# KiCad board PicoGUS chipdown with edge rails.kicad_pcb (continued)
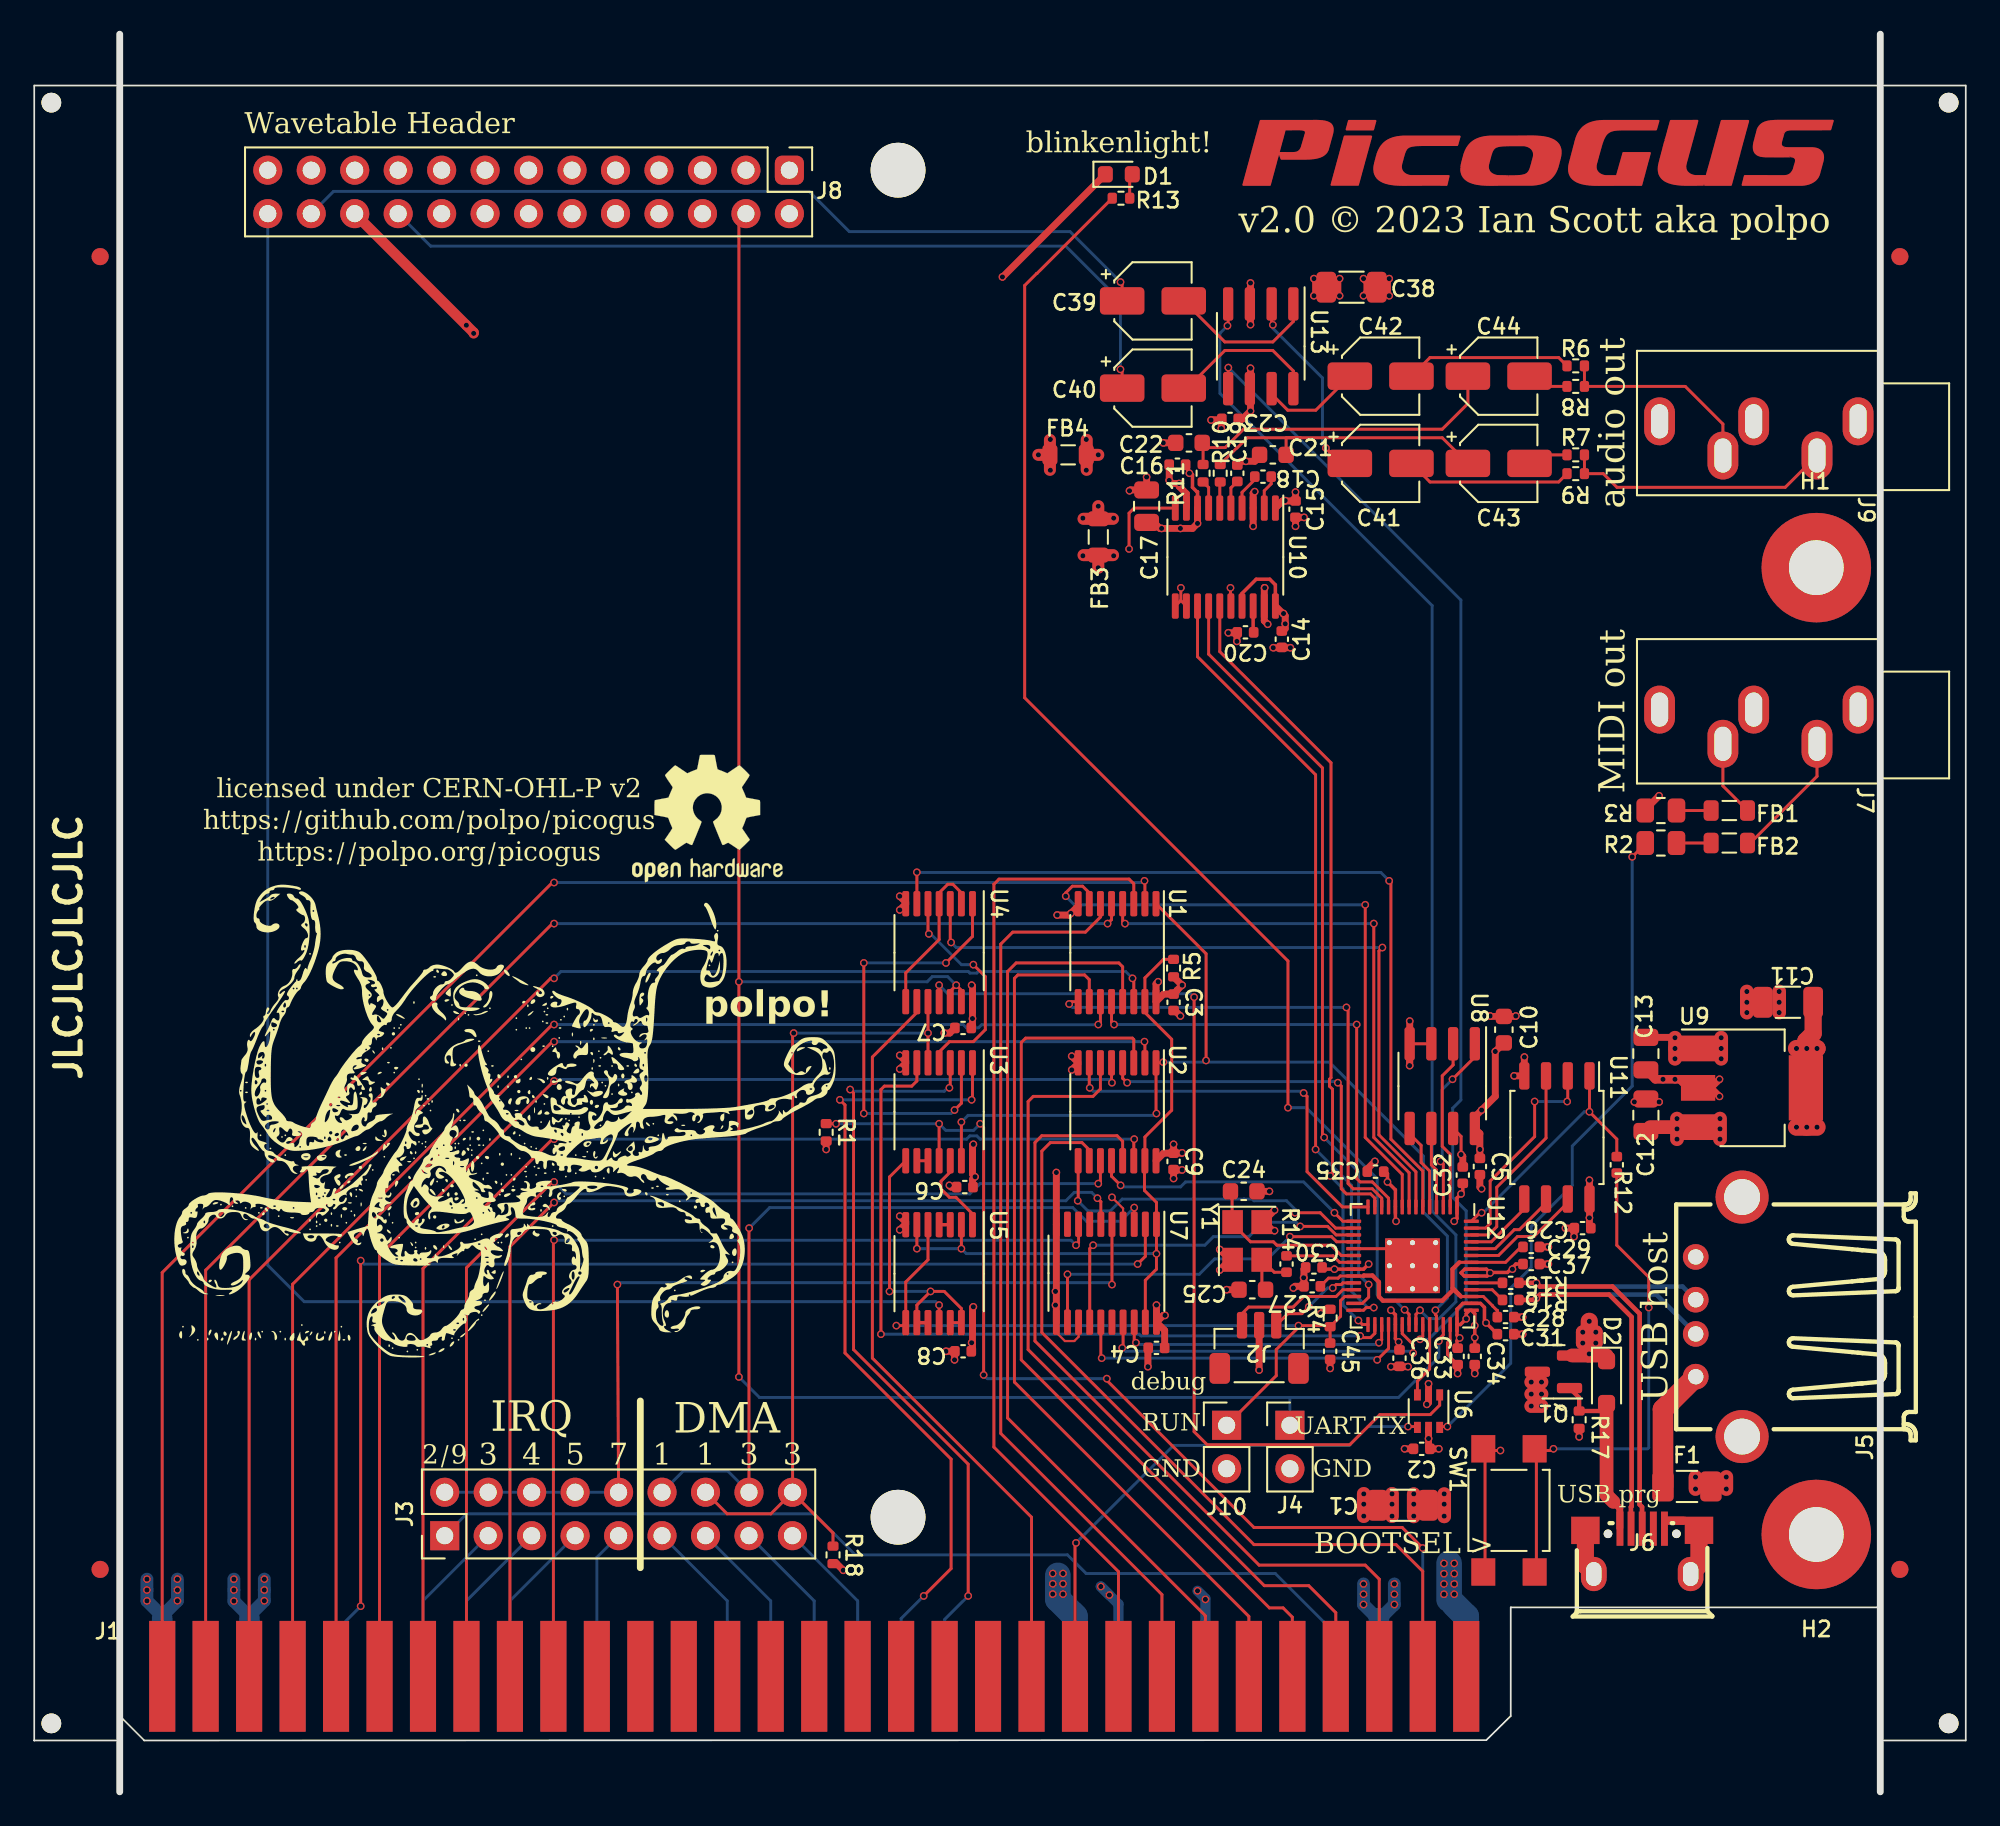
[diagram p0: board, top side]
## Nets
Board_0-+1V1: C27.1 C28.1 C29.1 U12.23 U12.45 U12.50
Board_0-+3V3: C2.1 C3.1 C4.1 C5.1 C6.1 C7.1 C8.1 C9.1 C10.1 C11.1 C13.1 C14.2 C26.1 C30.1 C31.1 C32.1 C33.1 C34.1 C35.1 C36.1 C37.1 FB4.1 R4.1 R5.1 U1.16 U2.16 U3.14 U4.14 U5.14 U6.5 U7.20 U8.8 U9.2 U10.17 U10.20 U11.8 U12.1 U12.10 U12.22 U12.33 U12.42 U12.43 U12.44 U12.48 U12.49
Board_0-+5V: C1.1 F1.2 J1.3 J1.29 J8.6 J8.10 J8.14 Q1.3 R3.2 R18.2
Board_0-+12V: J1.9 J8.18
Board_0--12V: J1.7 J8.22
Board_0-/RP2040/GPIO23: R13.1 U12.35
Board_0-/RP2040/QSPI_SCLK: U11.6 U12.52
Board_0-/RP2040/QSPI_SD0: U11.5 U12.53
Board_0-/RP2040/QSPI_SD1: U11.2 U12.55
Board_0-/RP2040/QSPI_SD2: U11.3 U12.54
Board_0-/RP2040/QSPI_SD3: U11.7 U12.51
Board_0-/RP2040/QSPI_SS: R12.1 U11.1 U12.56
Board_0-/RP2040/SWCLK: J2.1 U12.24
Board_0-/RP2040/SWD: J2.3 U12.25
Board_0-/RP2040/XIN: C24.1 U12.20 Y1.1
Board_0-/RP2040/XOUT: R14.1 U12.21
Board_0-/RP2040/~{USB_BOOT}: R12.2 SW1.1
Board_0-/USB_D+: J5.3 J6.3 R15.1
Board_0-/USB_D-: J5.2 J6.2 R16.1
Board_0-/VSYS: C12.1 D2.1 Q1.2 U9.3
Board_0-A0: J1.62 U1.2
Board_0-A1: J1.61 U1.5
Board_0-A2: J1.60 U1.14
Board_0-A3: J1.59 U1.11
Board_0-A4: J1.58 U2.2
Board_0-A5: J1.57 U2.5
Board_0-A6: J1.56 U2.14
Board_0-A7: J1.55 U2.11
Board_0-A8: J1.54 U7.6
Board_0-A9: J1.53 U7.8
Board_0-AD0: U1.4 U12.8
Board_0-AD1: U1.7 U12.9
Board_0-AD2: U1.12 U12.11
Board_0-AD3: U1.9 U12.12
Board_0-AD4: U2.4 U12.13
Board_0-AD5: U2.7 U12.14
Board_0-AD6: U2.12 U12.15
Board_0-AD7: U2.9 U12.16
Board_0-ADS: U1.1 U2.1 U3.13 U12.39
Board_0-AEN: J1.42 U4.9
Board_0-AGND: C15.1 C16.1 C17.2 C19.2 C21.1 C22.1 C23.2 C38.2 FB3.2 J8.15 J8.17 J8.19 J8.21 J8.23 J8.25 J9.S U10.3 U10.9 U13.3
Board_0-AVDD: C15.2 C16.2 C17.1 C23.1 C38.1 FB4.2 U10.1 U10.8 U13.6
Board_0-BCK: U10.13 U12.28
Board_0-D0: J1.40 U1.3
Board_0-D1: J1.39 U1.6
Board_0-D2: J1.38 U1.13
Board_0-D3: J1.37 U1.10
Board_0-D4: J1.36 U2.3
Board_0-D5: J1.35 U2.6
Board_0-D6: J1.34 U2.13
Board_0-D7: J1.33 U2.10
Board_0-DACK: J3.14 J3.18 R18.1 U3.5 U4.10
Board_0-DACK1: J1.17 J3.13
Board_0-DACK3: J1.15 J3.17
Board_0-DIN: U10.14 U12.27
Board_0-DRQ: J3.12 J3.16 U7.3
Board_0-DRQ1: J1.18 J3.11
Board_0-DRQ3: J1.16 J3.15
Board_0-GND: C1.2 C2.2 C3.2 C4.2 C5.2 C6.2 C7.2 C8.2 C9.2 C10.2 C11.2 C12.2 C13.2 C14.1 C20.2 C24.2 C25.2 C26.2 C27.2 C28.2 C29.2 C30.2 C31.2 C32.2 C33.2 C34.2 C35.2 C36.2 C37.2 C45.2 D1.1 FB3.1 H1.1 H2.1 J1.1 J1.10 J1.31 J2.2 J4.2 J5.4 J5.5 J6.5 J6.6 J7.S J8.1 J8.3 J8.5 J8.7 J8.9 J8.11 J10.2 R1.2 R17.2 SW1.2 U1.8 U2.8 U3.7 U4.7 U5.7 U6.2 U7.4 U7.10 U7.11 U7.13 U8.3 U8.4 U8.7 U9.1 U10.10 U10.11 U10.12 U10.16 U10.19 U11.4 U12.19 U12.41 U12.57 Y1.2 Y1.4
Board_0-I/OCHRDY: J1.41 U6.4
Board_0-IRQ: J3.2 J3.4 J3.6 J3.8 J3.10 U7.5
Board_0-IRQ2: J1.4 J3.1
Board_0-IRQ3: J1.25 J3.3
Board_0-IRQ4: J1.24 J3.5
Board_0-IRQ5: J1.23 J3.7
Board_0-IRQ7: J1.21 J3.9
Board_0-LRCK: U10.15 U12.29
Board_0-Net-(C25-Pad1): C25.1 R14.2 Y1.3
Board_0-Net-(C41-Pad2): C41.2 R7.1
Board_0-Net-(C42-Pad2): C42.2 R6.1
Board_0-Net-(C43-Pad2): C43.2 R9.2
Board_0-Net-(C44-Pad2): C44.2 R8.2
Board_0-Net-(D1-A): D1.2 R13.2
Board_0-Net-(D2-A): D2.2 J6.1 Q1.1 R17.1
Board_0-Net-(FB1-Pad1): FB1.1 R2.2
Board_0-Net-(FB1-Pad2): FB1.2 J7.T
Board_0-Net-(FB2-Pad1): FB2.1 R3.1
Board_0-Net-(FB2-Pad2): FB2.2 J7.R
Board_0-Net-(J5-VBUS): F1.1 J5.1
Board_0-Net-(J9-PadR): J9.R R6.2 R8.1
Board_0-Net-(J9-PadT): J9.T R7.2 R9.1
Board_0-Net-(R2-Pad1): R2.1 U6.6
Board_0-Net-(U3-Pad2): U3.2 U4.1
Board_0-Net-(U3-Pad4): U3.4 U4.5
Board_0-Net-(U3-Pad8): U3.8 U5.9 U5.10 U5.12 U5.13
Board_0-Net-(U3-Pad10): U3.9 U3.10
Board_0-Net-(U3-Pad12): U3.12 U5.1
Board_0-Net-(U4-Pad2): U4.2 U4.4 U4.8
Board_0-Net-(U4-Pad11): U4.11 U6.1
Board_0-Net-(U5-Pad3): U5.3 U5.4
Board_0-Net-(U10-CAPM): C18.2 U10.4
Board_0-Net-(U10-CAPP): C18.1 U10.2
Board_0-Net-(U10-LDOO): C20.1 U10.18
Board_0-Net-(U10-OUTL): R10.1 U10.6
Board_0-Net-(U10-OUTR): R11.1 U10.7
Board_0-Net-(U10-VNEG): C19.1 U10.5
Board_0-Net-(U12-USB_DM): R16.2 U12.46
Board_0-Net-(U12-USB_DP): R15.2 U12.47
Board_0-Net-(U13-1ch_IN): C39.2 U13.1
Board_0-Net-(U13-1ch_OUT): C41.1 U13.2
Board_0-Net-(U13-2ch_IN): C40.2 U13.8
Board_0-Net-(U13-2ch_OUT): C42.1 U13.7
Board_0-PGAUDIO_L: C21.2 C43.1 R10.2
Board_0-PGAUDIO_R: C22.2 C44.1 R11.2
Board_0-RA8: U7.14 U12.17
Board_0-RA9: U7.12 U12.18
Board_0-RDRQ: U7.17 U12.34
Board_0-RESET: J1.2 R1.1 U3.11
Board_0-RI/OCHRDY: U6.3 U12.38
Board_0-RIRQ: U7.15 U12.32
Board_0-RTC: U7.18 U12.31
Board_0-RUN: C45.1 J10.1 R4.2 U5.5 U5.8 U12.26
Board_0-RV_CLK: U12.37 U13.5
Board_0-RV_DATA: U12.36 U13.4
Board_0-SPI_RX: U8.2 U12.2
Board_0-SPI_SCK: U8.6 U12.4
Board_0-SPI_TX: U8.5 U12.5
Board_0-TC: J1.27 U7.2
Board_0-UART_TX: J4.1 J8.4 U4.12 U4.13 U12.40
Board_0-unconnected-(J1--5V-Pad5): J1.5
Board_0-unconnected-(J1-ALE-Pad28): J1.28
Board_0-unconnected-(J1-BA10-Pad52): J1.52
Board_0-unconnected-(J1-BA11-Pad51): J1.51
Board_0-unconnected-(J1-BA12-Pad50): J1.50
Board_0-unconnected-(J1-BA13-Pad49): J1.49
Board_0-unconnected-(J1-BA14-Pad48): J1.48
Board_0-unconnected-(J1-BA15-Pad47): J1.47
Board_0-unconnected-(J1-BA16-Pad46): J1.46
Board_0-unconnected-(J1-BA17-Pad45): J1.45
Board_0-unconnected-(J1-BA18-Pad44): J1.44
Board_0-unconnected-(J1-BA19-Pad43): J1.43
Board_0-unconnected-(J1-CLK-Pad20): J1.20
Board_0-unconnected-(J1-DRQ2-Pad6): J1.6
Board_0-unconnected-(J1-IO-Pad32): J1.32
Board_0-unconnected-(J1-IRQ6-Pad22): J1.22
Board_0-unconnected-(J1-OSC-Pad30): J1.30
Board_0-unconnected-(J1-UNUSED-Pad8): J1.8
Board_0-unconnected-(J1-~{DACK0}-Pad19): J1.19
Board_0-unconnected-(J1-~{DACK2}-Pad26): J1.26
Board_0-unconnected-(J1-~{SMEMR}-Pad12): J1.12
Board_0-unconnected-(J1-~{SMEMW}-Pad11): J1.11
Board_0-unconnected-(J6-ID-Pad4): J6.4
Board_0-unconnected-(J8-Pin_2-Pad2): J8.2
Board_0-unconnected-(J8-Pin_8-Pad8): J8.8
Board_0-unconnected-(J8-Pin_12-Pad12): J8.12
Board_0-unconnected-(J8-Pin_13-Pad13): J8.13
Board_0-unconnected-(J8-Pin_16-Pad16): J8.16
Board_0-unconnected-(J9-PadRN): J9.RN
Board_0-unconnected-(J9-PadTN): J9.TN
Board_0-unconnected-(U7-1Y1-Pad16): U7.16
Board_0-unconnected-(U7-2Y2-Pad7): U7.7
Board_0-unconnected-(U7-2Y3-Pad9): U7.9
Board_0-WTAUDIO_L: C39.1 J8.24
Board_0-WTAUDIO_R: C40.1 J8.20
Board_0-~{BUSOE}: R5.2 U1.15 U2.15 U5.2 U5.6 U7.1 U7.19
Board_0-~{IOR}: J1.14 U3.1
Board_0-~{IOW}: J1.13 U3.3
Board_0-~{RDACK}: U3.6 U12.30
Board_0-~{RIOR}: U4.3 U12.7
Board_0-~{RIOW}: U4.6 U12.6
Board_0-~{SPI_CS}: U8.1 U12.3
Board_0-~{WT_RESET}: J8.26 U5.11

Pads without a net: J2 MP; J7 RN TN

## Via types
v1: diameter 0.45, hole 0.3, Top to Bottom, 374 vias

## Routing (per net, layer and track width the routed paths; a pad name or vN(x,y) marks a point on that pad's centre or on a via; arc(x,y) is an arc through that point)
Board_0-+1V1: length 18.9
  Top w0.171: 77.61,30.15 U12.23 76.32,30.15 76.19,30.02 75.63,30.02 75.26,29.65 ; 86.88,31.85 85.98,30.95 U12.50 83.28,30.95 ; 83.37,28.95 U12.45 84.68,28.95 85.22,28.41 85.22,28.4 85.48,28.14 85.49,28.14 85.5,28.13 C28.1
  Top w0.25: 83.28,30.95 82.88,30.55 82.88,29.44 83.27,29.04 ; 77.67,30.15 77.7,30.18 78.2,30.18 78.58,29.8 78.58,28.94 78.81,28.71 82.28,28.71 82.94,29.36 82.96,29.36 83.37,28.95
Board_0-+3V3: length 75.4
  Top w0.2: 83.88,28.15 83.68,27.95 v1(83.68,27.65) 83.34,27.31 U12.42 ; 78.86,36.35 79.08,36.13 v1(79.08,35.65) 79.54,35.19 U12.10 79.54,33.39 v1(79.58,33.35) 79.54,33.41 ; v1(85.08,30.33) 84.86,30.55 U12.49 83.59,30.55 83.38,30.34 83.57,30.15 U12.48 84.9,30.15 v1(85.08,30.33) ; v1(85.08,30.33) 85.11,30.36 86.09,30.36 86.28,30.55 v1(86.38,30.55) 86.38,30.65 86.58,30.85 C37.1 ; U12.42 83.14,28.21 83.48,28.55 U12.44 84.51,28.55 84.74,28.32 84.74,27.5 v1(84.84,27.41) C31.1 ; U12.42 83.14,26.68 v1(83.3,26.53) 83.14,26.37 83.14,25.97 ; C34.1 v1(84.18,26.55) v1(84.18,27.25) 84.18,27.95 U12.43 ; U10.20 72.53,70.55 72.2,70.88 71.41,70.88 70.58,70.05 U10.17 ; v1(77.98,30.85) 77.68,30.55 U12.22 v1(75.98,30.55) 75.36,30.55 ; C36.1 79.78,26.25 v1(79.73,26.3) 79.54,26.49 U12.33 79.54,27.89 v1(79.28,28.15) ; C32.1 83.48,35.05 v1(83.38,34.95) 83.14,34.71 U12.1 83.14,33.51 v1(82.98,33.35)
  Top w0.4: U10.20 72.97,68.87 v1(73,68.87) 73,68.84 73.1,68.74 v1(73.1,68.27) 73.1,67.99 72.88,67.77 ; 97.98,41.15 v1(98.48,41.65) ; 97.98,41.15 v1(98.48,40.65) ; 97.98,41.15 U9.2 ; v1(75.18,27.95) 75.43,28.21 R4.1 ; v1(54.78,47.15) 54.83,47.1 U4.14 v1(54.83,45.2) 54.83,44.72 ; U2.16 66,37.33 C9.1 ; v1(66.08,27.85) 65.98,27.85 U7.20 ; 54.76,25.85 54.83,25.92 54.83,26.2 v1(54.78,26.25) 54.83,26.3 U5.14 54.83,28.3 v1(54.88,28.35) ; 84.18,39.45 v1(84.58,39.85) 85.38,40.65 v1(85.38,43.27) C10.1 ; 59.35,77.27 v1(59.38,77.25) ; C9.1 67.06,37.33 v1(67.08,37.35) ; C9.1 v1(66.58,37.85) ; v1(59.38,79.05) 59.35,79.02 ; 81.48,21.21 v1(81.48,20.65) 81.48,20.08 ; C5.1 v1(84.48,37.55) 84.48,38.48 U8.8 ; v1(54.88,37.85) 54.83,37.8 U3.14 54.83,36.1 v1(54.98,35.95) 54.83,35.8 54.83,35.38 ; C4.1 66.06,26.97 U7.20 ; 90.88,33.03 v1(90.88,33.55) 90.88,33.55 U11.8 90.88,35.74 v1(90.88,35.75) ; R5.1 67.07,47.15 v1(67.08,47.15) 66.78,46.85 66.78,46.83 C3.1 66,46.63 U1.16 65.55,47.22 v1(65.68,47.35) ; U7.20 v1(65.58,28.45) ; v1(82.08,20.05) C2.1
  Top w0.5: 96.68,41.15 96.18,41.65 v1(95.88,41.65) v1(95.18,41.65) 94.73,41.65 C13.1
  Top w0.7: v1(58.68,78.15) FB4.1 ; FB4.1 59.35,79.02 ; FB4.1 59.35,77.27
  Top w1: v1(102.98,43.45) v1(103.58,43.45) v1(104.18,43.45) 103.53,43.5 103.53,43.9 103.95,44.32 C11.1 ; v1(104.18,38.85) v1(103.58,38.85) v1(102.98,38.85)
Board_0-+5V: length 292.3
  Top w0.4: v1(47.28,12.95) 46.89,13.34 R18.2 ; v1(94.95,58.22) 94.23,57.5
  Top w0.8: v1(97.08,17.7) v1(97.08,18.4) ; v1(98.88,18.4) v1(98.88,17.7) ; v1(87.48,23.25) v1(88.08,23.25) ; v1(87.48,23.95) v1(88.08,23.95) ; 82.39,17.4 82.39,16.1 ; 80.61,17.4 80.61,16.1 ; v1(87.48,22.55) v1(88.08,22.55)
  In2.Cu w0.4: v1(47.28,12.95) 47.28,9.25
  In2.Cu w0.75: v1(11.67,12.43) 11.67,11.06 12.28,10.45 12.88,10.45 13.45,11.01 v1(13.45,12.43) ; v1(79.48,10.95) v1(79.48,12.15) ; v1(77.68,10.95) v1(77.68,12.15)
  In2.Cu w0.8: v1(97.08,17.7) v1(97.08,18.4) ; v1(80.61,17.41) v1(80.61,16.11) ; v1(87.48,23.25) v1(88.08,23.25) ; v1(87.48,22.55) v1(88.08,22.55) ; v1(98.88,18.4) v1(98.88,17.7) ; v1(87.48,23.95) v1(88.08,23.95) ; v1(82.39,17.41) v1(82.39,16.11)
  In2.Cu w1.2: 35.78,90.25 88.53,90.25 92.57,86.22 92.57,60.6 107.07,46.1 107.07,24.34 100.78,18.05 82.88,18.05 78.6,13.77 78.6,9.25 13.32,9.25 12.56,10.02 ; J8.6 39.05,90.32 38.98,90.25 30.18,90.25 28.89,91.54 J8.14 ; 87.77,18.05 87.77,20.46 87.78,20.47 87.78,23.95 ; 33.98,90.35 33.98,92.24
  Bottom w0.75: v1(13.45,12.43) v1(13.45,11.79) v1(13.45,11.17) 12.73,10.45 12.37,10.45 v1(11.67,11.15) v1(11.67,11.79) v1(11.67,12.43) ; v1(79.48,12.15) v1(79.48,10.95) 78.88,10.35 78.28,10.35 v1(77.68,10.95) v1(77.68,12.15)
  Bottom w1.2: 12.58,7.05 12.58,10.15 ; 78.58,6.29 78.58,10.15
  vias: v1(77.68,11.55) v1(79.48,11.55) v1(80.61,16.81) v1(82.39,16.81)
Board_0-+12V: length 113
  In2.Cu w0.4: v1(62.83,11.5) v1(62.33,12)
  In2.Cu w0.6: v1(62.83,11.5) 52.58,21.75 37.28,21.75 23.81,35.22 J8.18
  Bottom w0.6: v1(62.83,11.5) v1(62.33,12) 63.36,10.97 J1.9
Board_0--12V: length 118.4
  Top w0.6: J8.22 v1(25.25,85.72) 25.68,85.3 v1(25.68,85.25)
  In2.Cu w0.6: v1(68.44,11.25) 56.24,23.45 37.48,23.45 25.68,35.25 v1(25.68,85.25) ; v1(25.25,85.72) 25.25,85.67 25.69,85.24
  Bottom w0.6: v1(67.98,11.75) 68.44,11.29 J1.7
Board_0-/RP2040/GPIO23: length 78.3
  Top w0.171: U12.35 80.34,27.92 v1(80.08,28.18) ; R13.1 58.59,88.75 58.58,88.75 57.88,88.05 57.88,63.95 73.26,48.56 v1(73.26,39.99)
  Bottom w0.171: v1(80.08,28.18) 79.51,28.75 78.79,28.75 78.48,29.06 78.48,35.84 74.33,39.99 v1(73.26,39.99)
Board_0-/RP2040/QSPI_SCLK: length 5.5
  Top w0.171: U12.52 85.38,31.75 86.49,32.86 86.79,32.86 88.34,34.41
Board_0-/RP2040/QSPI_SD0: length 4.1
  Top w0.171: 87.24,34.24 85.14,32.15 U12.53
Board_0-/RP2040/QSPI_SD1: length 12.8
  Top w0.171: U11.2 89.61,40.38 v1(89.58,40.35) ; v1(87.68,40.35) 87.68,38.3 85.08,35.7 85.08,33.21 84.81,32.95 U12.55
  Bottom w0.171: v1(89.58,40.35) v1(87.68,40.35)
Board_0-/RP2040/QSPI_SD2: length 11.7
  Top w0.171: U11.3 88.34,38.21 85.46,35.33 85.46,33.03 84.98,32.55 U12.54
Board_0-/RP2040/QSPI_SD3: length 6.9
  Top w0.171: 89.61,34.43 87.64,32.46 86.68,32.46 85.57,31.35 U12.51
Board_0-/RP2040/QSPI_SS: length 14.9
  Top w0.171: v1(84.58,33.85) 84.48,33.85 U12.56 ; U11.1 90.88,39.85 90.88,39.85 v1(90.88,39.75) 92.48,38.15 R12.1
  Bottom w0.171: v1(84.58,33.85) 84.68,33.85 90.58,39.75 v1(90.88,39.75)
Board_0-/RP2040/SWCLK: length 5.6
  Top w0.171: v1(75.88,29.45) 76.08,29.65 76.38,29.65 76.48,29.75 U12.24 ; v1(74.48,28.35) 74.08,27.95 73.25,27.95 J2.1
  Bottom w0.171: v1(74.48,28.35) 75.58,29.45 v1(75.88,29.45)
Board_0-/RP2040/SWD: length 7.1
  Top w0.171: U12.25 76.47,29.35 76.07,28.95 74.18,28.95 73.56,28.33 70.96,28.33 70.58,27.95
Board_0-/RP2040/XIN: length 9.4
  Top w0.171: 70.03,33.2 71.08,32.15 72.41,32.15 72.61,31.95 75.78,31.95 76.38,31.35 U12.20 ; 70,34.9 70,33.33
Board_0-/RP2040/XOUT: length 4.1
  Top w0.171: U12.21 76.28,30.95 75.9,31.33 R14.1
Board_0-/RP2040/~{USB_BOOT}: length 30.7
  Top w0.171: v1(94.34,28.3) 94.34,30.08 92.48,31.95 R12.2
  Top w0.172: v1(88.78,20.05) 88.68,19.95 87.78,19.95 87.78,12.75
  Bottom w0.171: v1(94.34,28.3) 94.34,20.12 94.28,20.05 v1(88.78,20.05)
Board_0-/USB_D+: length 30.1
  Top w0.267: R15.1 v1(87.78,29.75) 87.99,29.53 92.22,29.53 93.81,27.95 93.81,16.79 93.95,16.65 93.95,15.41
  Bottom w0.267: 97.1,28.75 96.32,29.53 87.99,29.53 v1(87.78,29.75)
Board_0-/USB_D-: length 29.7
  Top w0.267: v1(87.78,28.85) 87.99,29.06 92.03,29.06 93.34,27.75 93.34,16.69 93.3,16.65 93.3,15.41 ; R16.1 87.68,28.75
  Bottom w0.267: v1(87.78,28.85) 87.99,29.06 94.79,29.06 97.03,26.82
Board_0-/VSYS: length 35
  Top w0.4: 98.41,38.85 v1(98.51,38.75)
  Top w0.8: 89.85,25.5 90.78,25.5 v1(90.87,25.6) 90.96,25.5 91.89,25.5 ; v1(96,39.35) v1(96,38.15) ; v1(98.51,39.35) v1(98.51,38.15) ; U9.3 94.43,38.85 ; v1(90.49,26.87) v1(91.25,26.87) v1(91.25,26.23) v1(90.49,26.23) v1(90.49,26.87)
  Top w1: v1(90.87,25.6) v1(90.87,27.5)
  In2.Cu w0.8: v1(98.51,39.35) v1(98.51,38.15) ; 90.49,26.93 v1(90.49,26.23) ; 96,39.25 v1(96,39.35) v1(96,38.75) v1(96,38.15) 96,38.25 ; 91.25,26.93 v1(91.25,26.23)
  In2.Cu w1.2: v1(90.87,27.5) 90.87,25.72 ; 97.27,38.75 96.41,38.75 ; 97.27,38.75 98.12,38.75 ; 97.27,38.75 97.27,37.19 90.87,30.8 90.87,26.02
Board_0-A0: length 91.8
  Top w0.171: J1.62 7.48,30.35 30.28,53.15 v1(30.38,53.15) ; U1.2 64.9,53.22 v1(64.88,53.25)
  Bottom w0.171: v1(64.88,53.25) 64.78,53.15 v1(30.38,53.15)
Board_0-A1: length 86.1
  Top w0.171: v1(62.72,50.75) 62.95,50.98 U1.5 ; v1(30.38,50.75) 30.28,50.75 10.02,30.49 J1.61
  Bottom w0.171: v1(30.38,50.75) v1(62.72,50.75)
Board_0-A2: length 83.9
  Top w0.171: J1.60 12.56,29.93 30.18,47.55 v1(30.38,47.55) ; v1(64.18,47.55) 64.25,47.47 U1.14
  Bottom w0.171: v1(30.38,47.55) 30.78,47.95 54.59,47.95 54.67,47.86 55.08,47.86 55.17,47.95 63.78,47.95 v1(64.18,47.55)
Board_0-A3: length 77.8
  Top w0.171: J1.59 15.1,29.67 30.28,44.85 v1(30.38,44.85) ; v1(62.18,44.85) 62.3,44.97 U1.11
  Bottom w0.171: v1(30.38,44.85) 54.28,44.85 54.47,44.66 55.18,44.66 55.36,44.84 62.17,44.84 v1(62.18,44.85)
Board_0-A4: length 78.2
  Top w0.171: U2.2 64.9,43.82 v1(64.88,43.85) ; J1.58 17.64,31.21 30.28,43.85 v1(30.38,43.85)
  Bottom w0.171: v1(30.38,43.85) v1(64.88,43.85)
Board_0-A5: length 73.1
  Top w0.171: U2.5 62.95,41.47 v1(62.98,41.45) ; J1.57 20.18,31.35 v1(30.38,41.55)
  Bottom w0.171: v1(30.38,41.55) 30.47,41.64 62.89,41.64 v1(62.98,41.45) 62.98,41.55
Board_0-A6: length 70
  Top w0.171: J1.56 22.72,30.59 30.28,38.15 v1(30.38,38.15) ; U2.14 64.25,38.12 v1(64.28,38.15)
  Bottom w0.171: v1(30.38,38.15) 54.49,38.15 54.67,38.34 55.08,38.34 55.27,38.15 v1(64.28,38.15)
Board_0-A7: length 64.8
  Top w0.171: v1(62.18,35.55) 62.3,35.67 U2.11 ; v1(30.38,35.65) 30.28,35.65 25.26,30.63 J1.55
  Bottom w0.171: v1(30.38,35.65) 31.08,34.95 54.67,34.95 55.27,35.55 v1(62.18,35.55)
Board_0-A8: length 62.5
  Top w0.171: v1(30.38,34.45) 27.8,31.87 J1.54 ; U7.6 62.33,34.5 v1(62.13,34.7)
  Bottom w0.171: v1(30.38,34.45) 30.48,34.55 60.29,34.55 60.77,35.04 61.79,35.04 v1(62.13,34.7)
Board_0-A9: length 57.4
  Top w0.171: v1(60.88,31.95) 61.03,32.1 U7.8 ; v1(30.38,32.25) 30.34,32.21 J1.53
  Bottom w0.171: v1(30.38,32.25) 30.39,32.24 60.59,32.24 v1(60.88,31.95)
Board_0-AD0: length 33.2
  Top w0.171: v1(63.74,50.75) 63.6,50.88 U1.4 ; v1(78.28,50.75) 78.28,38.25 80.34,36.19 U12.8
  Bottom w0.171: v1(63.74,50.75) v1(78.28,50.75)
Board_0-AD1: length 38.2
  Top w0.171: v1(77.78,51.85) 77.78,38.25 79.94,36.09 U12.9 ; 61.65,52.54 61.26,52.93 60.66,52.93 60.28,52.55 v1(60.28,52.35)
  Bottom w0.171: v1(77.78,51.85) 60.78,51.85 v1(60.28,52.35)
Board_0-AD2: length 27.4
  Top w0.171: v1(77.28,44.85) 77.28,35.85 77.48,35.65 78.19,35.65 79.14,34.7 U12.11 ; U1.12 62.95,45 v1(63.1,44.85)
  Bottom w0.171: v1(63.1,44.85) v1(77.28,44.85)
Board_0-AD3: length 30
  Top w0.171: U1.9 60.62,46.19 v1(60.48,46.05) ; v1(76.68,45.85) 76.78,45.75 76.78,35.55 77.08,35.25 78.19,35.25 78.74,34.7 U12.12
  Bottom w0.171: v1(60.48,46.05) 60.68,45.85 v1(76.68,45.85)
Board_0-AD4: length 22.6
  Top w0.171: v1(63.86,41.45) 63.6,41.71 U2.4 ; U12.13 78.34,34.7 78.09,34.95 76.68,34.95 76.38,35.25 76.38,41.25 v1(76.18,41.45)
  Bottom w0.171: v1(63.86,41.45) 63.93,41.51 76.11,41.51 v1(76.18,41.45)
Board_0-AD5: length 23.2
  Top w0.171: U2.7 61.65,41.17 v1(61.68,41.15) ; v1(74.18,40.85) 74.38,40.65 74.38,36.25 76.44,34.19 U12.14
  Bottom w0.171: v1(61.68,41.15) 61.88,40.95 74.08,40.95 v1(74.18,40.85)
Board_0-AD6: length 16.4
  Top w0.171: U12.15 76.48,33.35 v1(75.98,33.85) ; v1(63.48,35.45) 62.95,35.98 U2.12
  Bottom w0.171: v1(75.98,33.85) 74.18,35.65 67.28,35.65 66.99,35.36 63.57,35.36 v1(63.48,35.45)
Board_0-AD7: length 19.8
  Top w0.171: v1(60.98,34.55) 61,34.57 U2.9 ; U12.16 76.05,32.95 75.15,33.85 v1(73.68,33.85)
  Bottom w0.171: v1(73.68,33.85) 73.68,34.05 73.18,34.55 71.28,34.55 71.18,34.65 70.69,34.65 70.69,34.64 ; v1(60.98,34.55) 61.58,33.95 62.88,33.95 63.58,34.65 70.69,34.65
Board_0-ADS: length 56
  Top w0.171: U1.1 68.48,48.99 v1(68.48,42.75) ; U3.13 v1(54.18,39.15) ; v1(65.98,42.65) 65.94,42.61 U2.1 65.55,39.67 v1(65.58,39.65) ; U12.39 81.94,27.82 81.88,27.89 v1(81.88,28.15)
  Bottom w0.171: v1(54.18,39.15) 54.57,39.54 65.47,39.54 v1(65.58,39.65) ; v1(81.88,28.15) 82.58,28.85 82.58,32.48 81.18,33.88 81.18,37.16 75.69,42.65 68.58,42.65 v1(68.48,42.75) 68.38,42.65 v1(65.98,42.65)
Board_0-AEN: length 43.7
  Top w0.171: J1.42 58.28,16.05 48.98,25.35 48.98,42.95 50.77,44.74 50.77,44.75 51.58,45.55
Board_0-AGND: length 18.5
  Top w0.4: v1(79.18,87.45) 79.08,87.55 79.08,88.35 v1(79.18,88.45) ; v1(71.32,76) 71.23,75.91 U10.3 v1(71.23,73.97) ; C16.1 v1(66.32,76.65) 66.5,76.47 v1(66.9,76.47) 66.9,76.3 67.33,75.88 U10.9 ; v1(65,76.85) C17.2 64.05,76.1 v1(64,76.05) ; v1(73.7,73.97) C15.1 v1(74.2,74.49) ; C19.2 70.52,77.77 v1(70.8,77.77) 71.32,77.77 71.5,77.95 ; 61.31,74.41 v1(61.28,74.45) ; v1(71.07,88.19) v1(71.07,85.76) ; v1(77.68,88.45) 77.88,88.25 77.88,87.65 v1(77.68,87.45) ; v1(68.77,80.18) 68.79,80.2 69.37,80.2 v1(69.37,79.68) ; C22.1 v1(65.98,78.85) ; 63.04,74.41 v1(63.08,74.45)
  Top w0.7: FB3.2 63.04,74.41 ; FB3.2 v1(62.18,75.15) ; FB3.2 61.31,74.41
Board_0-AVDD: length 16.4
  Top w0.2: 67.28,77.39 67.5,77.17 v1(67.5,77.07) 67.6,77.07 67.68,76.99 67.68,76.25 67.94,75.99 67.98,75.99 U10.8
  Top w0.4: U10.8 v1(67.98,74.14) 67.68,73.85 v1(66.98,73.85) v1(65.88,73.85) 65.78,73.85 65.43,74.2 ; v1(76.28,87.45) 76.18,87.55 76.18,88.35 v1(76.28,88.45) ; v1(61.48,77.25) 61.5,77.27 ; v1(73.7,75.97) C15.2 73.12,75.45 v1(73.1,75.47) 73.08,75.45 72.94,75.45 U10.1 ; 61.5,79.02 v1(61.48,79.05) ; v1(74.78,87.45) 74.88,87.55 74.88,88.35 v1(74.78,88.45) ; v1(71.07,83.21) v1(71.07,80.71) 70.61,80.25 C23.1
  Top w0.7: v1(62.18,78.15) 61.5,78.15 ; 61.5,78.15 61.5,79.02 ; 61.5,78.15 61.5,77.27
Board_0-BCK: length 46.7
  Top w0.171: v1(74.88,37.55) 74.88,59.45 67.98,66.35 U10.13 ; v1(78.28,28.3) 77.83,28.3 77.68,28.15 U12.28
  Bottom w0.171: v1(74.88,37.55) 76.98,35.45 76.98,29.25 77.92,28.3 v1(78.28,28.3)
Board_0-D0: length 58.9
  Top w0.171: U1.3 64.25,53.07 63.98,53.35 56.38,53.35 56.08,53.05 56.08,20.15 63.36,12.87 J1.40
Board_0-D1: length 54
  Top w0.171: U1.6 62.3,51.13 61.42,50.25 57.18,50.25 56.48,49.55 56.48,20.95 65.9,11.53 J1.39
Board_0-D2: length 55.1
  Top w0.171: J1.38 68.44,10.29 56.88,21.85 56.88,47.95 57.38,48.45 63.38,48.45 63.6,48.22 U1.13
Board_0-D3: length 52.3
  Top w0.171: J1.37 70.98,10.25 57.28,23.95 57.28,47.55 57.48,47.75 61.38,47.75 61.65,47.47 U1.10
Board_0-D4: length 52.2
  Top w0.171: J1.36 73.52,10.21 72.98,10.75 72.18,10.75 57.68,25.25 57.68,43.8 57.93,44.05 64.17,44.05 64.25,43.97 U2.3
Board_0-D5: length 48.6
  Top w0.171: U2.6 62.3,41.08 61.87,40.65 58.38,40.65 58.08,40.35 58.08,25.85 71.88,12.05 74.48,12.05 76.06,10.47 J1.35
Board_0-D6: length 49.7
  Top w0.171: J1.34 78.6,12.43 77.78,13.25 71.58,13.25 58.48,26.35 58.48,37.95 58.88,38.35 63.28,38.35 63.6,38.02 U2.13
Board_0-D7: length 47.9
  Top w0.171: J1.33 81.14,12.89 79.58,14.45 71.28,14.45 58.88,26.85 58.88,37.45 59.38,37.95 61.22,37.95 61.65,37.52
Board_0-DACK: length 48.5
  Top w0.171: J3.18 43.05,16.25 40.49,16.25 J3.14 ; 44.31,17.5 46.68,15.13 R18.1 ; 44.32,17.52 44.32,44.29 v1(44.38,44.35) ; U4.10 U3.5
  Bottom w0.171: v1(44.38,44.35) v1(52.23,44.35)
Board_0-DACK1: length 9.8
  Bottom w0.171: J1.17 43.04,11.16 J3.13
Board_0-DACK3: length 9.8
  Bottom w0.171: J1.15 48.12,11.16 J3.17
Board_0-DIN: length 45.3
  Top w0.171: U12.27 77.61,28.55 77.98,28.91 v1(77.98,29.65) ; v1(75.38,38.25) 75.28,38.35 75.28,59.85 68.63,66.5 U10.14
  Bottom w0.171: v1(75.38,38.25) 77.39,36.24 77.39,30.24 v1(77.98,29.65)
Board_0-DRQ: length 46.2
  Top w0.171: U7.3 v1(64.28,34.15) ; J3.16 41.77,32.94 v1(41.78,32.95)
  Bottom w0.171: v1(64.28,34.15) 63.48,33.35 61.49,33.35 60.69,34.15 42.98,34.15 v1(41.78,32.95) ; J3.12 37.93,18.75 40.53,18.75 J3.16
Board_0-DRQ1: length 9.8
  Bottom w0.171: J1.18 40.5,11.16 J3.11
Board_0-DRQ3: length 9.8
  Bottom w0.171: J1.16 45.58,11.16 J3.15
Board_0-GND: length 190.3
  Top w0.127: 59.73,26.85 60.23,26.35 60.78,26.35 61.03,26.6 U7.13 ; U7.4 63.63,34.1 v1(62.98,34.75)
  Top w0.171: U10.10 64.27,75.04 63.98,74.74 v1(63.98,72.65) ; v1(83.38,37.25) 83.38,38.31 U8.7 ; 67,69.64 U10.11 ; 67,69.64 v1(67,70.37) ; 67,69.64 U10.12 ; v1(85.68,19.95) 84.78,19.95 84.78,12.75 ; U8.4 U8.3 ; 77.28,31.75 79.54,31.75 ; C33.2 82.58,25.56 82.58,26.24 82.74,26.4 U12.41 ; v1(69.9,70.37) 69.9,69.34 ; 71.88,70.4 U10.19
  Top w0.4: v1(89.98,32.45) 89.98,32.93 ; R1.2 v1(46.28,37.55) ; v1(79.28,24.85) v1(80.28,24.85) ; C7.2 53.5,44.35 v1(53.18,44.35) ; 50.93,51.9 v1(50.58,51.55) ; v1(72.08,68.25) 71.88,68.45 71.88,70.35 v1(71.9,70.37) 71.88,70.4 ; v1(78.34,36.85) 77.9,36.4 C35.2 ; v1(85.08,45.35) 85.1,45.32 C10.2 86.55,45.32 v1(86.58,45.35) ; v1(56.58,88.55) 56.59,88.55 D1.1 ; v1(66.58,35.85) C9.2 ; v1(75.73,24.75) 75.73,25.28 ; v1(60.63,43) 60.98,42.65 60.98,42.55 v1(60.63,42.2) ; v1(83.38,37.25) 83.48,37.15 C32.2 ; C29.2 v1(88.48,31.85) 88.38,31.85 ; C28.2 v1(86.98,27.75) 86.78,27.75 ; v1(69.28,31.7) 69.88,31.1 v1(69.28,30.5) ; U8.4 v1(80.37,42.45) 80.38,42.45 v1(80.38,45.05) ; v1(86.48,41.85) U11.4 87.07,42.94 v1(87.08,42.95) ; 50.93,52 v1(50.58,52.35) ; 65.08,25.85 v1(65.08,24.85) ; C13.2 95.86,44.1 v1(95.88,44.08) ; U7.11 59.73,28.4 v1(59.68,28.45) 59.73,28.5 59.73,29.2 v1(59.68,29.25) 59.73,29.3 U7.10 v1(59.73,36.2) ; v1(53.28,25.75) C8.2 ; C34.2 v1(84.18,24.45) ; v1(93.5,40.32) v1(94.95,40.32) ; C31.2 v1(86.98,26.75) 86.88,26.75 ; 71.78,33.3 v1(72.48,34) ; 61,51.77 v1(60.58,51.35) 60.47,51.24 v1(59.78,51.25) ; 63.04,72.29 v1(63.08,72.25) ; 66.66,45.67 v1(66.98,45.35) ; v1(73.58,29.45) 73.68,29.55 C27.2 74.2,30.03 v1(74.18,30.05) 74.2,30.07 74.2,30.55 C30.2 ; v1(100.08,46.15) v1(100.08,46.78) ; v1(101.96,46.15) v1(101.96,46.78) ; v1(72.4,66.87) v1(73.4,66.87) ; C5.2 84.48,35.35 v1(84.58,35.25) ; v1(81.38,22.65) 81.48,22.75 U6.2 v1(81.48,23.85) ; v1(53.48,35.45) 53.58,35.35 C6.2 ; v1(89.48,32.95) C26.2 ; 50.93,42.6 v1(50.58,42.25) ; v1(72.18,35.1) C24.2 ; C37.2 v1(88.48,30.85) 88.38,30.85 ; v1(69.78,67.75) 70.28,67.75 v1(70.28,67.25) ; U9.1 v1(98.58,43.45) v1(98.58,44.08) ; v1(80.08,20.05) C2.2 ; v1(69.68,29.35) C25.2 ; 50.93,33.2 v1(50.58,32.85) ; 71.88,33.3 72.38,32.8 v1(72.48,32.8) ; C33.2 v1(83.18,24.45) ; v1(67.08,36.35) 66.6,36.35 ; 50.93,42.7 v1(50.58,43.05) ; R17.2 v1(90.28,20.75) ; 61.31,72.29 v1(61.28,72.25) ; v1(71.58,24.65) J2.2 ; 50.93,33.3 v1(50.58,33.65) ; v1(53.78,25.25) 53.78,25.73
  Top w0.5: 96.38,15.85 95.52,15.85
  Top w0.7: FB3.1 v1(62.18,71.55) ; FB3.1 63.04,72.29 ; FB3.1 61.31,72.29
  Top w0.8: v1(77.69,17.41) v1(77.69,16.11) ; v1(95.88,44.08) v1(95.88,42.85) ; v1(100.08,46.78) v1(100.08,45.55) ; v1(98.58,44.08) v1(98.58,42.85) ; v1(98.58,43.45) v1(95.88,43.45) ; v1(79.34,17.41) v1(79.34,16.11) ; v1(101.96,46.78) v1(101.96,45.55)
  Top w1: 91,12.86 90.64,13.22 90.64,15.05 ; 96.95,12.89 97.28,13.21 97.28,15.11
  In1.Cu w1: 5.7,88.65 5.7,99.04 28.19,99.04 31.43,95.8 J8.11 J8.3 J8.1
  Bottom w0.4: 60.68,10.4 60.82,10.26 J1.10
  Bottom w0.75: v1(6.59,12.43) v1(6.59,11.79) v1(6.59,11.16) 7.3,10.45 7.65,10.45 v1(8.37,11.17) v1(8.37,11.79) v1(8.37,12.43)
  Bottom w1.2: 7.48,7.05 7.48,10.15 ; 82.98,10.95 82.68,11.25
  Bottom w1.5: J1.1 83.68,10.25 82.98,10.95 ; 82.68,11.25 82.68,13.35 ; 60.82,5.96 60.82,10.26 59.82,11.26 59.82,12.65
  vias: v1(59.52,12.76) v1(59.52,12.16) v1(59.52,11.56) v1(60.12,12.76) v1(60.12,12.16) v1(60.12,11.56) v1(77.69,16.81) v1(79.34,16.81) v1(82.38,13.35) v1(82.38,12.75) v1(82.38,12.15) v1(82.38,11.55) v1(82.98,13.35) v1(82.98,12.75) v1(82.98,12.15) v1(82.98,11.55)
Board_0-I/OCHRDY: length 30.5
  Top w0.171: v1(80.28,21.35) 80.78,21.35 ; J1.41 60.82,14.49 v1(60.88,14.55)
  Bottom w0.171: v1(60.88,14.55) 66.58,20.25 76.84,20.25 77.94,21.35 v1(80.28,21.35)
Board_0-IRQ: length 55
  Top w0.171: J3.10 v1(34.08,29.65) ; U7.5 v1(62.98,29.65)
  Bottom w0.171: 62.98,29.75 v1(62.98,29.65) 62.97,29.76 34.19,29.76 v1(34.08,29.65) ; J3.2 J3.10
Board_0-IRQ2: length 55.5
  Bottom w0.171: J3.1 25.27,16.25 45.58,16.25 47.98,13.85 60.38,13.85 61.47,12.76 72.52,12.76 76.06,9.23
Board_0-IRQ3: length 9.8
  Bottom w0.171: J3.3 22.72,11.16 J1.25
Board_0-IRQ4: length 9.8
  Bottom w0.171: J3.5 25.26,11.16 J1.24
Board_0-IRQ5: length 9.8
  Bottom w0.171: J3.7 27.8,11.16 J1.23
Board_0-IRQ7: length 8.7
  Bottom w0.171: J3.9 32.88,13.7 J1.21
Board_0-LRCK: length 46
  Top w0.171: v1(77.38,27.55) 77.62,27.31 U12.29 ; U10.15 69.28,66.65 75.78,60.15 75.78,41.74 75.69,41.65 75.69,41.25 75.87,41.07 75.87,36.14 v1(75.73,36)
  Bottom w0.171: v1(77.38,27.55) 76.48,28.45 76.48,35.25 v1(75.73,36)
Board_0-Net-(C25-Pad1): length 3.3
  Top w0.171: Y1.3 72.46,30.37 R14.2 ; 71.74,29.15 71.74,30.74
Board_0-Net-(C41-Pad2): length 9.7
  Top w0.171: C41.2 81.56,76.56 89.08,76.56 R7.1
Board_0-Net-(C42-Pad2): length 9.7
  Top w0.171: C42.2 81.56,83.83 89.08,83.83 R6.1
Board_0-Net-(C43-Pad2): length 1.7
  Top w0.171: R9.2 87.88,78.15
Board_0-Net-(C44-Pad2): length 1.6
  Top w0.171: R8.2 87.98,82.15
Board_0-Net-(D1-A): length 1.2
  Top w0.171: R13.2 64.01,94.4
Board_0-Net-(D2-A): length 10.8
  Top w0.25: D2.2 91.44,22.26 R17.1 90.28,23.04 Q1.1
  Top w0.4: 92.65,15.41 92.65,16.57 92.28,16.95
  Top w0.8: 91.88,22.56 91.88,17.35 92.28,16.95
Board_0-Net-(FB1-Pad1): length 2.1
  Top w0.171: 95.88,55.46 FB1.1
Board_0-Net-(FB1-Pad2): length 7.4
  Top w0.171: 100.28,55.46 104.18,59.36 J7.T
Board_0-Net-(FB2-Pad1): length 2.1
  Top w0.171: 95.88,57.36 FB2.1
Board_0-Net-(FB2-Pad2): length 4.5
  Top w0.171: FB2.2 98.68,58.8 J7.R
Board_0-Net-(J5-VBUS): length 7.2
  Top w1.2: J5.1 95.18,22.35 F1.1
Board_0-Net-(J9-PadR): length 12
  Top w0.171: R6.2 R8.1 96.48,82.15 98.68,79.95 J9.R
Board_0-Net-(J9-PadT): length 15.8
  Top w0.171: J9.T 102.32,76.25 92.49,76.25 91.69,77.05 R7.2 R9.1
Board_0-Net-(R2-Pad1): length 39.3
  Top w0.171: 94.19,55.46 v1(93.38,54.65) ; v1(82.58,21.35) 82.18,21.35
  Bottom w0.171: v1(93.38,54.65) 93.38,41.25 89.88,37.75 89.88,35.45 87.48,33.05 87.48,30.65 86.28,29.45 86.28,25.05 v1(82.58,21.35)
Board_0-Net-(U3-Pad2): length 26
  Top w0.171: v1(53.28,48.45) 54.83,50 U4.1 ; v1(53.78,39.85) 54.18,40.25 U3.2 ; v1(48.48,48.45) v1(48.48,39.65)
  Bottom w0.171: v1(53.28,48.45) v1(48.48,48.45) ; v1(48.48,39.65) 53.58,39.65 v1(53.78,39.85)
Board_0-Net-(U3-Pad4): length 12.5
  Top w0.171: v1(52.28,50.15) 52.23,50.2 U4.5 ; 52.88,43.24 53.48,43.85 54.88,43.85 55.58,44.55 55.58,47.65 v1(54.88,48.35)
  Bottom w0.171: v1(52.28,50.15) 52.39,50.15 54.19,48.35 v1(54.88,48.35)
Board_0-Net-(U3-Pad8): length 16.9
  Top w0.171: v1(49.98,29.25) 49.98,35.94 U3.8 ; U5.12 U5.13 54.18,28.25 53.18,29.25 v1(52.38,29.25) 51.58,28.45 U5.9
  Top w0.2: U5.10 U5.9
  Bottom w0.171: v1(49.98,29.25) v1(52.38,29.25)
Board_0-Net-(U3-Pad10): length 0.6
  Top w0.171: U3.9 U3.10
Board_0-Net-(U3-Pad12): length 4.3
  Top w0.171: 54.83,33.78 53.86,34.75 53.48,34.75 52.99,35.24 52.99,35.69 53.53,36.23 U3.12
Board_0-Net-(U4-Pad2): length 8.2
  Top w0.171: U4.4 52.88,49.82 50.93,47.87 U4.8 ; 54.18,52.55 53.68,53.05 53.38,53.05 52.88,52.54
Board_0-Net-(U4-Pad11): length 57.8
  Top w0.171: v1(67.78,46.45) 67.78,21.05 68.54,20.29 76.88,20.29 78.64,22.05 81.58,22.05 82.13,22.6 U6.1 ; v1(52.88,47.15) U4.11
  Bottom w0.171: v1(52.88,47.15) 53.38,46.65 67.58,46.65 v1(67.78,46.45)
Board_0-Net-(U5-Pad3): length 0.7
  Top w0.2: U5.4 U5.3
Board_0-Net-(U10-CAPM): length 1.3
  Top w0.171: 70.58,75.67 70.58,75.96 71.32,76.7
Board_0-Net-(U10-CAPP): length 2
  Top w0.171: C18.1 72.28,76.45 71.88,76.05 U10.2
Board_0-Net-(U10-LDOO): length 1.3
  Top w0.2: 71.23,68.02 U10.18
Board_0-Net-(U10-OUTL): length 1.5
  Top w0.171: U10.6 69.28,76.54
Board_0-Net-(U10-OUTR): length 1.7
  Top w0.171: U10.7 68.63,76.24 R11.1
Board_0-Net-(U10-VNEG): length 1.7
  Top w0.171: C19.1 69.93,76.22 U10.5
Board_0-Net-(U12-USB_DM): length 2.1
  Top w0.171: U12.46 85.2,29.35 R16.2
Board_0-Net-(U12-USB_DP): length 1.8
  Top w0.171: R15.2 U12.47
Board_0-Net-(U13-1ch_IN): length 8.9
  Top w0.171: U13.1 73.58,85.95 72.38,84.75 69.57,84.75 C39.2
Board_0-Net-(U13-1ch_OUT): length 11
  Top w0.171: v1(72.38,85.75) 72.31,85.82 U13.2 ; 76.38,77.65 v1(75.48,78.55)
  Bottom w0.171: v1(75.48,78.55) 75.28,78.75 75.28,82.65 72.38,85.55 v1(72.38,85.75)
Board_0-Net-(U13-2ch_IN): length 8.9
  Top w0.171: U13.8 73.58,83.05 72.38,84.25 69.57,84.25 67.17,81.85
Board_0-Net-(U13-2ch_OUT): length 5.8
  Top w0.171: C42.1 74.89,80.76 73.25,80.76 72.31,81.7
Board_0-PGAUDIO_L: length 17.5
  Top w0.171: 73.98,79.15 70.89,79.15 70.28,78.54 ; 73.98,79.15 73.18,79.15 73.15,79.12 C21.2 ; 73.98,79.15 82.28,79.15 C43.1 ; R10.2 70.26,78.54
Board_0-PGAUDIO_R: length 19.1
  Top w0.171: 68.28,78.57 69.59,78.57 70.67,79.65 82.28,79.65 83.78,81.15 C44.1 ; R11.2 68.3,78.55
Board_0-RA8: length 20.7
  Top w0.171: v1(73.98,33.05) 75.58,33.05 76.08,32.55 U12.17 ; v1(61.88,31.95) 61.68,31.75 U7.14
  Bottom w0.171: v1(61.88,31.95) 68.41,31.95 68.91,32.45 70.98,32.45 71.82,33.29 73.74,33.29 v1(73.98,33.05)
Board_0-RA9: length 20.6
  Top w0.171: v1(73.38,32.45) 75.81,32.45 76.11,32.15 U12.18 ; U7.12 v1(60.38,30.25)
  Bottom w0.171: v1(60.38,30.25) 68.08,30.25 68.98,31.15 72.08,31.15 v1(73.38,32.45)
Board_0-RDRQ: length 20.6
  Top w0.171: U12.34 79.94,26.78 80.58,26.14 v1(80.58,25.65) ; U7.17 63.63,26 v1(63.58,25.95)
  Bottom w0.171: v1(63.58,25.95) 63.78,25.75 80.48,25.75 v1(80.58,25.65)
Board_0-RESET: length 63.6
  Top w0.171: v1(81.14,14.25) 79.94,15.45 71.28,15.45 62.68,24.05 v1(62.68,24.15) ; v1(55.48,24.37) 55.48,38.85 v1(55.28,39.05) ; v1(52.88,39.05) U3.11 ; 46.29,39.05 v1(46.85,39.05)
  Bottom w0.171: v1(55.48,24.37) 55.7,24.15 v1(62.68,24.15) ; v1(81.14,14.25) J1.2 ; v1(46.85,39.05) v1(52.88,39.05) 53.27,38.66 54.89,38.66 v1(55.28,39.05)
Board_0-RI/OCHRDY: length 4.4
  Top w0.171: U12.38 81.54,24.71 80.83,24 U6.3
Board_0-RIRQ: length 20.6
  Top w0.171: U12.32 79.14,25.91 v1(78.48,25.25) ; v1(62.38,25.35) 62.33,25.4 U7.15
  Bottom w0.171: v1(78.48,25.25) 78.38,25.35 v1(62.38,25.35)
Board_0-RTC: length 16.7
  Top w0.171: U12.31 78.74,26.41 v1(78.58,26.25) ; v1(64.38,26.25) 64.28,26.35 U7.18
  Bottom w0.171: v1(78.58,26.25) 78.48,26.15 64.48,26.15 v1(64.38,26.25)
Board_0-RUN: length 43.3
  Top w0.171: J10.1 72.58,24.32 72.58,25.85 73.88,27.15 v1(73.88,27.25) 75.66,27.25 ; 75.73,26.24 R4.2 76.34,27.79 76.34,28.71 76.58,28.95 U12.26 ; v1(50.38,27.25) 50.75,27.25 U5.8 50.93,29.8 52.23,31.1 U5.5
  Bottom w0.171: v1(73.88,27.25) v1(50.38,27.25)
Board_0-RV_CLK: length 66.5
  Top w0.171: v1(69.78,83.25) 69.77,83.24 U13.5 ; v1(80.98,26.45) 81.14,26.61 U12.37
  Bottom w0.171: v1(80.98,26.45) 81.48,26.45 83.68,28.65 83.68,33.96 82.89,34.75 82.89,39.96 83.37,40.44 83.37,69.66 v1(69.78,83.25)
Board_0-RV_DATA: length 67.9
  Top w0.171: v1(69.73,85.7) 69.77,85.74 U13.4 ; U12.36 80.74,27.91 v1(80.98,28.15)
  Bottom w0.171: v1(69.73,85.7) 69.29,85.26 69.29,81.74 81.69,69.34 81.69,33.94 83.08,32.55 83.08,28.65 82.09,27.66 81.47,27.66 v1(80.98,28.15)
Board_0-SPI_RX: length 10
  Top w0.171: U12.2 82.74,37.26 82.28,37.73 82.28,41.85 82.91,42.48 U8.2
Board_0-SPI_SCK: length 4.7
  Top w0.171: U8.6 81.64,36.64 81.94,36.34 U12.4
Board_0-SPI_TX: length 4.8
  Top w0.171: U12.5 81.54,36.29 81.04,36.78 81.04,37.78 80.37,38.45
Board_0-TC: length 70.2
  Top w0.171: v1(19.08,10.85) v1(19.08,31.05) ; v1(64.48,30.85) 64.93,31.3 U7.2
  Bottom w0.171: 17.64,9.41 v1(19.08,10.85) ; v1(64.48,30.85) 19.28,30.85 v1(19.08,31.05)
Board_0-UART_TX: length 128
  Top w0.171: U12.40 82.34,26.71 82.03,26.4 v1(82.08,26.35) ; 53.53,46.8 v1(53.88,47.15) 54.18,46.85 54.18,46.49 ; v1(41.18,24.25) v1(41.18,47.35) 41.18,91.84
  Bottom w0.171: v1(82.08,26.35) 82.08,25.4 79.72,23.05 73.38,23.05 ; J4.1 73.38,23.05 ; 73.38,23.05 42.38,23.05 v1(41.18,24.25) ; v1(41.18,47.35) 52.18,47.35 52.48,47.65 53.38,47.65 v1(53.88,47.15)
Board_0-WTAUDIO_L: length 51.2
  Top w0.171: v1(63.48,88.25) 63.57,88.15 C39.1
  Bottom w0.171: v1(63.48,88.25) 60.53,91.2 47.63,91.2 45.28,93.55 17.49,93.55 J8.24
